# KiCad board Kimiro.kicad_pcb (continued)
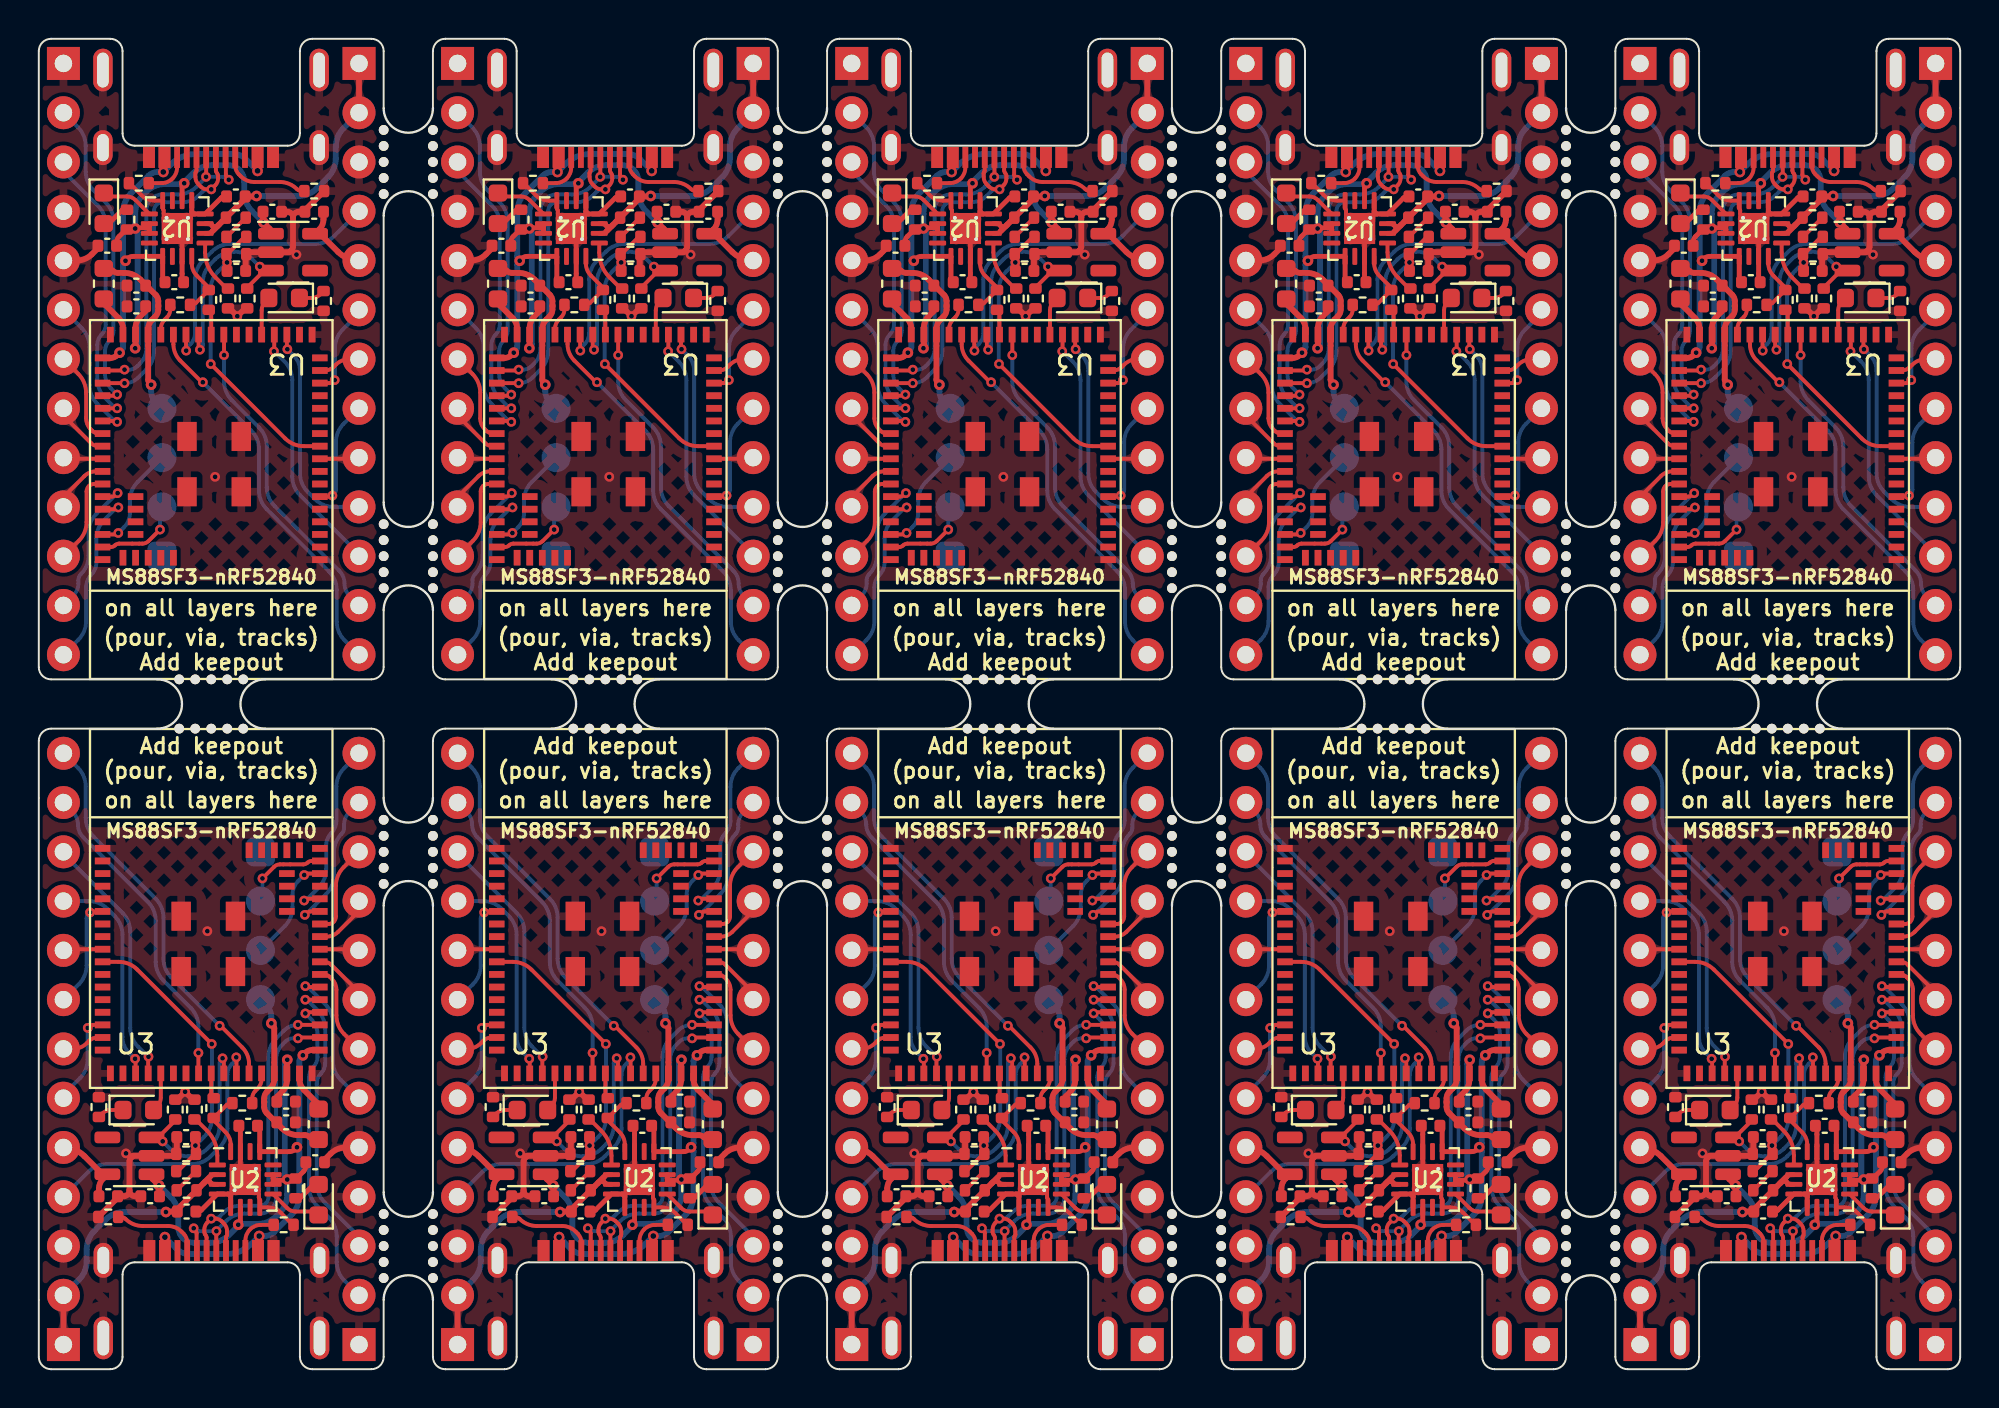
[diagram p0: board, top side]
## Nets
GND: C1.2 C1#2.2 C1#3.2 C1#4.2 C1#5.2 C1#6.2 C1#7.2 C1#8.2 C1#9.2 C1#10.2 C2.1 C2#2.1 C2#3.1 C2#4.1 C2#5.1 C2#6.1 C2#7.1 C2#8.1 C2#9.1 C2#10.1 C3.1 C3#2.1 C3#3.1 C3#4.1 C3#5.1 C3#6.1 C3#7.1 C3#8.1 C3#9.1 C3#10.1 C4.2 C4#2.2 C4#3.2 C4#4.2 C4#5.2 C4#6.2 C4#7.2 C4#8.2 C4#9.2 C4#10.2 C5.1 C5#2.1 C5#3.1 C5#4.1 C5#5.1 C5#6.1 C5#7.1 C5#8.1 C5#9.1 C5#10.1 C6.1 C6#2.1 C6#3.1 C6#4.1 C6#5.1 C6#6.1 C6#7.1 C6#8.1 C6#9.1 C6#10.1 C7.2 C7#2.2 C7#3.2 C7#4.2 C7#5.2 C7#6.2 C7#7.2 C7#8.2 C7#9.2 C7#10.2 C8.2 C8#2.2 C8#3.2 C8#4.2 C8#5.2 C8#6.2 C8#7.2 C8#8.2 C8#9.2 C8#10.2 J1.1 J1#2.1 J1#3.1 J1#4.1 J1#5.1 J1#6.1 J1#7.1 J1#8.1 J1#9.1 J1#10.1 J2.A1 J2.A12 J2.B1 J2.B12 J2.S1 J2#2.A1 J2#2.A12 J2#2.B1 J2#2.B12 J2#2.S1 J2#3.A1 J2#3.A12 J2#3.B1 J2#3.B12 J2#3.S1 J2#4.A1 J2#4.A12 J2#4.B1 J2#4.B12 J2#4.S1 J2#5.A1 J2#5.A12 J2#5.B1 J2#5.B12 J2#5.S1 J2#6.A1 J2#6.A12 J2#6.B1 J2#6.B12 J2#6.S1 J2#7.A1 J2#7.A12 J2#7.B1 J2#7.B12 J2#7.S1 J2#8.A1 J2#8.A12 J2#8.B1 J2#8.B12 J2#8.S1 J2#9.A1 J2#9.A12 J2#9.B1 J2#9.B12 J2#9.S1 J2#10.A1 J2#10.A12 J2#10.B1 J2#10.B12 J2#10.S1 J3.1 J3.4 J3.5 J3#2.1 J3#2.4 J3#2.5 J3#3.1 J3#3.4 J3#3.5 J3#4.1 J3#4.4 J3#4.5 J3#5.1 J3#5.4 J3#5.5 J3#6.1 J3#6.4 J3#6.5 J3#7.1 J3#7.4 J3#7.5 J3#8.1 J3#8.4 J3#8.5 J3#9.1 J3#9.4 J3#9.5 J3#10.1 J3#10.4 J3#10.5 J4.3 J4#2.3 J4#3.3 J4#4.3 J4#5.3 J4#6.3 J4#7.3 J4#8.3 J4#9.3 J4#10.3 R1.2 R1#2.2 R1#3.2 R1#4.2 R1#5.2 R1#6.2 R1#7.2 R1#8.2 R1#9.2 R1#10.2 R2.1 R2#2.1 R2#3.1 R2#4.1 R2#5.1 R2#6.1 R2#7.1 R2#8.1 R2#9.1 R2#10.1 R3.2 R3#2.2 R3#3.2 R3#4.2 R3#5.2 R3#6.2 R3#7.2 R3#8.2 R3#9.2 R3#10.2 R9.2 R9#2.2 R9#3.2 R9#4.2 R9#5.2 R9#6.2 R9#7.2 R9#8.2 R9#9.2 R9#10.2 R10.2 R10#2.2 R10#3.2 R10#4.2 R10#5.2 R10#6.2 R10#7.2 R10#8.2 R10#9.2 R10#10.2 R11.1 R11#2.1 R11#3.1 R11#4.1 R11#5.1 R11#6.1 R11#7.1 R11#8.1 R11#9.1 R11#10.1 U2.4 U2.5 U2.8 U2.15 U2.17 U2#2.4 U2#2.5 U2#2.8 U2#2.15 U2#2.17 U2#3.4 U2#3.5 U2#3.8 U2#3.15 U2#3.17 U2#4.4 U2#4.5 U2#4.8 U2#4.15 U2#4.17 U2#5.4 U2#5.5 U2#5.8 U2#5.15 U2#5.17 U2#6.4 U2#6.5 U2#6.8 U2#6.15 U2#6.17 U2#7.4 U2#7.5 U2#7.8 U2#7.15 U2#7.17 U2#8.4 U2#8.5 U2#8.8 U2#8.15 U2#8.17 U2#9.4 U2#9.5 U2#9.8 U2#9.15 U2#9.17 U2#10.4 U2#10.5 U2#10.8 U2#10.15 U2#10.17 U3.1 U3.18 U3.34 U3.61 U3#2.1 U3#2.18 U3#2.34 U3#2.61 U3#3.1 U3#3.18 U3#3.34 U3#3.61 U3#4.1 U3#4.18 U3#4.34 U3#4.61 U3#5.1 U3#5.18 U3#5.34 U3#5.61 U3#6.1 U3#6.18 U3#6.34 U3#6.61 U3#7.1 U3#7.18 U3#7.34 U3#7.61 U3#8.1 U3#8.18 U3#8.34 U3#8.61 U3#9.1 U3#9.18 U3#9.34 U3#9.61 U3#10.1 U3#10.18 U3#10.34 U3#10.61 U4.2 U4#2.2 U4#3.2 U4#4.2 U4#5.2 U4#6.2 U4#7.2 U4#8.2 U4#9.2 U4#10.2
VBAT: C3.2 C3#2.2 C3#3.2 C3#4.2 C3#5.2 C3#6.2 C3#7.2 C3#8.2 C3#9.2 C3#10.2 J4.1 J4.2 J4#2.1 J4#2.2 J4#3.1 J4#3.2 J4#4.1 J4#4.2 J4#5.1 J4#5.2 J4#6.1 J4#6.2 J4#7.1 J4#7.2 J4#8.1 J4#8.2 J4#9.1 J4#9.2 J4#10.1 J4#10.2 R7.1 R7#2.1 R7#3.1 R7#4.1 R7#5.1 R7#6.1 R7#7.1 R7#8.1 R7#9.1 R7#10.1 U2.2 U2.3 U2#2.2 U2#2.3 U2#3.2 U2#3.3 U2#4.2 U2#4.3 U2#5.2 U2#5.3 U2#6.2 U2#6.3 U2#7.2 U2#7.3 U2#8.2 U2#8.3 U2#9.2 U2#9.3 U2#10.2 U2#10.3
VBUS: C1.1 C1#2.1 C1#3.1 C1#4.1 C1#5.1 C1#6.1 C1#7.1 C1#8.1 C1#9.1 C1#10.1 J2.A4 J2.A9 J2.B4 J2.B9 J2#2.A4 J2#2.A9 J2#2.B4 J2#2.B9 J2#3.A4 J2#3.A9 J2#3.B4 J2#3.B9 J2#4.A4 J2#4.A9 J2#4.B4 J2#4.B9 J2#5.A4 J2#5.A9 J2#5.B4 J2#5.B9 J2#6.A4 J2#6.A9 J2#6.B4 J2#6.B9 J2#7.A4 J2#7.A9 J2#7.B4 J2#7.B9 J2#8.A4 J2#8.A9 J2#8.B4 J2#8.B9 J2#9.A4 J2#9.A9 J2#9.B4 J2#9.B9 J2#10.A4 J2#10.A9 J2#10.B4 J2#10.B9 U2.13 U2#2.13 U2#3.13 U2#4.13 U2#5.13 U2#6.13 U2#7.13 U2#8.13 U2#9.13 U2#10.13 U3.35 U3#2.35 U3#3.35 U3#4.35 U3#5.35 U3#6.35 U3#7.35 U3#8.35 U3#9.35 U3#10.35
VCC: C6.2 C6#2.2 C6#3.2 C6#4.2 C6#5.2 C6#6.2 C6#7.2 C6#8.2 C6#9.2 C6#10.2 J4.5 J4#2.5 J4#3.5 J4#4.5 J4#5.5 J4#6.5 J4#7.5 J4#8.5 J4#9.5 J4#10.5 U4.5 U4#2.5 U4#3.5 U4#4.5 U4#5.5 U4#6.5 U4#7.5 U4#8.5 U4#9.5 U4#10.5
VDD: C7.1 C7#2.1 C7#3.1 C7#4.1 C7#5.1 C7#6.1 C7#7.1 C7#8.1 C7#9.1 C7#10.1 J1.4 J1#2.4 J1#3.4 J1#4.4 J1#5.4 J1#6.4 J1#7.4 J1#8.4 J1#9.4 J1#10.4 L1.2 L1#2.2 L1#3.2 L1#4.2 L1#5.2 L1#6.2 L1#7.2 L1#8.2 L1#9.2 L1#10.2 U3.31 U3#2.31 U3#3.31 U3#4.31 U3#5.31 U3#6.31 U3#7.31 U3#8.31 U3#9.31 U3#10.31
VDDH: C2.2 C2#2.2 C2#3.2 C2#4.2 C2#5.2 C2#6.2 C2#7.2 C2#8.2 C2#9.2 C2#10.2 C5.2 C5#2.2 C5#3.2 C5#4.2 C5#5.2 C5#6.2 C5#7.2 C5#8.2 C5#9.2 C5#10.2 C8.1 C8#2.1 C8#3.1 C8#4.1 C8#5.1 C8#6.1 C8#7.1 C8#8.1 C8#9.1 C8#10.1 R6.1 R6#2.1 R6#3.1 R6#4.1 R6#5.1 R6#6.1 R6#7.1 R6#8.1 R6#9.1 R6#10.1 U2.6 U2.10 U2.11 U2#2.6 U2#2.10 U2#2.11 U2#3.6 U2#3.10 U2#3.11 U2#4.6 U2#4.10 U2#4.11 U2#5.6 U2#5.10 U2#5.11 U2#6.6 U2#6.10 U2#6.11 U2#7.6 U2#7.10 U2#7.11 U2#8.6 U2#8.10 U2#8.11 U2#9.6 U2#9.10 U2#9.11 U2#10.6 U2#10.10 U2#10.11 U3.32 U3#2.32 U3#3.32 U3#4.32 U3#5.32 U3#6.32 U3#7.32 U3#8.32 U3#9.32 U3#10.32 U4.1 U4#2.1 U4#3.1 U4#4.1 U4#5.1 U4#6.1 U4#7.1 U4#8.1 U4#9.1 U4#10.1
002: J4.9 J4#2.9 J4#3.9 J4#4.9 J4#5.9 J4#6.9 J4#7.9 J4#8.9 J4#9.9 J4#10.9 U3.9 U3#2.9 U3#3.9 U3#4.9 U3#5.9 U3#6.9 U3#7.9 U3#8.9 U3#9.9 U3#10.9
003: J4.8 J4#2.8 J4#3.8 J4#4.8 J4#5.8 J4#6.8 J4#7.8 J4#8.8 J4#9.8 J4#10.8 U3.6 U3#2.6 U3#3.6 U3#4.6 U3#5.6 U3#6.6 U3#7.6 U3#8.6 U3#9.6 U3#10.6
004: J4.7 J4#2.7 J4#3.7 J4#4.7 J4#5.7 J4#6.7 J4#7.7 J4#8.7 J4#9.7 J4#10.7 U3.16 U3#2.16 U3#3.16 U3#4.16 U3#5.16 U3#6.16 U3#7.16 U3#8.16 U3#9.16 U3#10.16
005: J4.6 J4#2.6 J4#3.6 J4#4.6 J4#5.6 J4#6.6 J4#7.6 J4#8.6 J4#9.6 J4#10.6 U3.15 U3#2.15 U3#3.15 U3#4.15 U3#5.15 U3#6.15 U3#7.15 U3#8.15 U3#9.15 U3#10.15
006: J4.10 J4#2.10 J4#3.10 J4#4.10 J4#5.10 J4#6.10 J4#7.10 J4#8.10 J4#9.10 J4#10.10 U3.20 U3#2.20 U3#3.20 U3#4.20 U3#5.20 U3#6.20 U3#7.20 U3#8.20 U3#9.20 U3#10.20
008: J4.12 J4#2.12 J4#3.12 J4#4.12 J4#5.12 J4#6.12 J4#7.12 J4#8.12 J4#9.12 J4#10.12 U3.25 U3#2.25 U3#3.25 U3#4.25 U3#5.25 U3#6.25 U3#7.25 U3#8.25 U3#9.25 U3#10.25
013: J3.3 J3#2.3 J3#3.3 J3#4.3 J3#5.3 J3#6.3 J3#7.3 J3#8.3 J3#9.3 J3#10.3 U3.39 U3#2.39 U3#3.39 U3#4.39 U3#5.39 U3#6.39 U3#7.39 U3#8.39 U3#9.39 U3#10.39
015: J3.6 J3#2.6 J3#3.6 J3#4.6 J3#5.6 J3#6.6 J3#7.6 J3#8.6 J3#9.6 J3#10.6 U3.40 U3#2.40 U3#3.40 U3#4.40 U3#5.40 U3#6.40 U3#7.40 U3#8.40 U3#9.40 U3#10.40
016: J4.13 J4#2.13 J4#3.13 J4#4.13 J4#5.13 J4#6.13 J4#7.13 J4#8.13 J4#9.13 J4#10.13 U3.29 U3#2.29 U3#3.29 U3#4.29 U3#5.29 U3#6.29 U3#7.29 U3#8.29 U3#9.29 U3#10.29
017: J3.7 J3#2.7 J3#3.7 J3#4.7 J3#5.7 J3#6.7 J3#7.7 J3#8.7 J3#9.7 J3#10.7 U3.41 U3#2.41 U3#3.41 U3#4.41 U3#5.41 U3#6.41 U3#7.41 U3#8.41 U3#9.41 U3#10.41
019: J3.2 J3#2.2 J3#3.2 J3#4.2 J3#5.2 J3#6.2 J3#7.2 J3#8.2 J3#9.2 J3#10.2 U3.38 U3#2.38 U3#3.38 U3#4.38 U3#5.38 U3#6.38 U3#7.38 U3#8.38 U3#9.38 U3#10.38
020: J3.10 J3#2.10 J3#3.10 J3#4.10 J3#5.10 J3#6.10 J3#7.10 J3#8.10 J3#9.10 J3#10.10 U3.44 U3#2.44 U3#3.44 U3#4.44 U3#5.44 U3#6.44 U3#7.44 U3#8.44 U3#9.44 U3#10.44
021: J3.8 J3#2.8 J3#3.8 J3#4.8 J3#5.8 J3#6.8 J3#7.8 J3#8.8 J3#9.8 J3#10.8 U3.42 U3#2.42 U3#3.42 U3#4.42 U3#5.42 U3#6.42 U3#7.42 U3#8.42 U3#9.42 U3#10.42
022: J3.11 J3#2.11 J3#3.11 J3#4.11 J3#5.11 J3#6.11 J3#7.11 J3#8.11 J3#9.11 J3#10.11 U3.45 U3#2.45 U3#3.45 U3#4.45 U3#5.45 U3#6.45 U3#7.45 U3#8.45 U3#9.45 U3#10.45
023: J3.9 J3#2.9 J3#3.9 J3#4.9 J3#5.9 J3#6.9 J3#7.9 J3#8.9 J3#9.9 J3#10.9 U3.43 U3#2.43 U3#3.43 U3#4.43 U3#5.43 U3#6.43 U3#7.43 U3#8.43 U3#9.43 U3#10.43
024: J3.12 J3#2.12 J3#3.12 J3#4.12 J3#5.12 J3#6.12 J3#7.12 J3#8.12 J3#9.12 J3#10.12 U3.46 U3#2.46 U3#3.46 U3#4.46 U3#5.46 U3#6.46 U3#7.46 U3#8.46 U3#9.46 U3#10.46
100: J3.13 J3#2.13 J3#3.13 J3#4.13 J3#5.13 J3#6.13 J3#7.13 J3#8.13 J3#9.13 J3#10.13 U3.47 U3#2.47 U3#3.47 U3#4.47 U3#5.47 U3#6.47 U3#7.47 U3#8.47 U3#9.47 U3#10.47
108: J4.11 J4#2.11 J4#3.11 J4#4.11 J4#5.11 J4#6.11 J4#7.11 J4#8.11 J4#9.11 J4#10.11 U3.21 U3#2.21 U3#3.21 U3#4.21 U3#5.21 U3#6.21 U3#7.21 U3#8.21 U3#9.21 U3#10.21
BATTERY_PIN: C4.1 C4#2.1 C4#3.1 C4#4.1 C4#5.1 C4#6.1 C4#7.1 C4#8.1 C4#9.1 C4#10.1 R8.2 R8#2.2 R8#3.2 R8#4.2 R8#5.2 R8#6.2 R8#7.2 R8#8.2 R8#9.2 R8#10.2 R9.1 R9#2.1 R9#3.1 R9#4.1 R9#5.1 R9#6.1 R9#7.1 R9#8.1 R9#9.1 R9#10.1 U3.10 U3#2.10 U3#3.10 U3#4.10 U3#5.10 U3#6.10 U3#7.10 U3#8.10 U3#9.10 U3#10.10
CHARGE_CTRL_1: R4.1 R4#2.1 R4#3.1 R4#4.1 R4#5.1 R4#6.1 R4#7.1 R4#8.1 R4#9.1 R4#10.1 U3.30 U3#2.30 U3#3.30 U3#4.30 U3#5.30 U3#6.30 U3#7.30 U3#8.30 U3#9.30 U3#10.30
CHARGE_CTRL_2: R5.2 R5#2.2 R5#3.2 R5#4.2 R5#5.2 R5#6.2 R5#7.2 R5#8.2 R5#9.2 R5#10.2 U3.26 U3#2.26 U3#3.26 U3#4.26 U3#5.26 U3#6.26 U3#7.26 U3#8.26 U3#9.26 U3#10.26
D+: J2.A6 J2.B6 J2#2.A6 J2#2.B6 J2#3.A6 J2#3.B6 J2#4.A6 J2#4.B6 J2#5.A6 J2#5.B6 J2#6.A6 J2#6.B6 J2#7.A6 J2#7.B6 J2#8.A6 J2#8.B6 J2#9.A6 J2#9.B6 J2#10.A6 J2#10.B6 U3.37 U3#2.37 U3#3.37 U3#4.37 U3#5.37 U3#6.37 U3#7.37 U3#8.37 U3#9.37 U3#10.37
D-: J2.A7 J2.B7 J2#2.A7 J2#2.B7 J2#3.A7 J2#3.B7 J2#4.A7 J2#4.B7 J2#5.A7 J2#5.B7 J2#6.A7 J2#6.B7 J2#7.A7 J2#7.B7 J2#8.A7 J2#8.B7 J2#9.A7 J2#9.B7 J2#10.A7 J2#10.B7 U3.36 U3#2.36 U3#3.36 U3#4.36 U3#5.36 U3#6.36 U3#7.36 U3#8.36 U3#9.36 U3#10.36
DCCH: L1.1 L1#2.1 L1#3.1 L1#4.1 L1#5.1 L1#6.1 L1#7.1 L1#8.1 L1#9.1 L1#10.1 U3.33 U3#2.33 U3#3.33 U3#4.33 U3#5.33 U3#6.33 U3#7.33 U3#8.33 U3#9.33 U3#10.33
LED: D2.2 D2#2.2 D2#3.2 D2#4.2 D2#5.2 D2#6.2 D2#7.2 D2#8.2 D2#9.2 D2#10.2 U3.22 U3#2.22 U3#3.22 U3#4.22 U3#5.22 U3#6.22 U3#7.22 U3#8.22 U3#9.22 U3#10.22
POWER_PIN: R10.1 R10#2.1 R10#3.1 R10#4.1 R10#5.1 R10#6.1 R10#7.1 R10#8.1 R10#9.1 R10#10.1 U3.27 U3#2.27 U3#3.27 U3#4.27 U3#5.27 U3#6.27 U3#7.27 U3#8.27 U3#9.27 U3#10.27 U4.3 U4#2.3 U4#3.3 U4#4.3 U4#5.3 U4#6.3 U4#7.3 U4#8.3 U4#9.3 U4#10.3
RST: J4.4 J4#2.4 J4#3.4 J4#4.4 J4#5.4 J4#6.4 J4#7.4 J4#8.4 J4#9.4 J4#10.4 U3.28 U3#2.28 U3#3.28 U3#4.28 U3#5.28 U3#6.28 U3#7.28 U3#8.28 U3#9.28 U3#10.28
SWCLK: J1.2 J1#2.2 J1#3.2 J1#4.2 J1#5.2 J1#6.2 J1#7.2 J1#8.2 J1#9.2 J1#10.2 U3.50 U3#2.50 U3#3.50 U3#4.50 U3#5.50 U3#6.50 U3#7.50 U3#8.50 U3#9.50 U3#10.50
SWDIO: J1.3 J1#2.3 J1#3.3 J1#4.3 J1#5.3 J1#6.3 J1#7.3 J1#8.3 J1#9.3 J1#10.3 U3.49 U3#2.49 U3#3.49 U3#4.49 U3#5.49 U3#6.49 U3#7.49 U3#8.49 U3#9.49 U3#10.49
Net-(D1-Pad1): D1.1 D1#2.1 D1#3.1 D1#4.1 D1#5.1 D1#6.1 D1#7.1 D1#8.1 D1#9.1 D1#10.1 U2.9 U2#2.9 U2#3.9 U2#4.9 U2#5.9 U2#6.9 U2#7.9 U2#8.9 U2#9.9 U2#10.9
Net-(D1-Pad2): D1.2 D1#2.2 D1#3.2 D1#4.2 D1#5.2 D1#6.2 D1#7.2 D1#8.2 D1#9.2 D1#10.2 R6.2 R6#2.2 R6#3.2 R6#4.2 R6#5.2 R6#6.2 R6#7.2 R6#8.2 R6#9.2 R6#10.2
Net-(D2-Pad1): D2.1 D2#2.1 D2#3.1 D2#4.1 D2#5.1 D2#6.1 D2#7.1 D2#8.1 D2#9.1 D2#10.1 R11.2 R11#2.2 R11#3.2 R11#4.2 R11#5.2 R11#6.2 R11#7.2 R11#8.2 R11#9.2 R11#10.2
Net-(J2-PadA5): J2.A5 J2#2.A5 J2#3.A5 J2#4.A5 J2#5.A5 J2#6.A5 J2#7.A5 J2#8.A5 J2#9.A5 J2#10.A5 R1.1 R1#2.1 R1#3.1 R1#4.1 R1#5.1 R1#6.1 R1#7.1 R1#8.1 R1#9.1 R1#10.1
Net-(J2-PadB5): J2.B5 J2#2.B5 J2#3.B5 J2#4.B5 J2#5.B5 J2#6.B5 J2#7.B5 J2#8.B5 J2#9.B5 J2#10.B5 R2.2 R2#2.2 R2#3.2 R2#4.2 R2#5.2 R2#6.2 R2#7.2 R2#8.2 R2#9.2 R2#10.2
Net-(R3-Pad1): R3.1 R3#2.1 R3#3.1 R3#4.1 R3#5.1 R3#6.1 R3#7.1 R3#8.1 R3#9.1 R3#10.1 U2.1 U2#2.1 U2#3.1 U2#4.1 U2#5.1 U2#6.1 U2#7.1 U2#8.1 U2#9.1 U2#10.1
Net-(R4-Pad2): R4.2 R4#2.2 R4#3.2 R4#4.2 R4#5.2 R4#6.2 R4#7.2 R4#8.2 R4#9.2 R4#10.2 R5.1 R5#2.1 R5#3.1 R5#4.1 R5#5.1 R5#6.1 R5#7.1 R5#8.1 R5#9.1 R5#10.1 U2.16 U2#2.16 U2#3.16 U2#4.16 U2#5.16 U2#6.16 U2#7.16 U2#8.16 U2#9.16 U2#10.16
Net-(R7-Pad2): R7.2 R7#2.2 R7#3.2 R7#4.2 R7#5.2 R7#6.2 R7#7.2 R7#8.2 R7#9.2 R7#10.2 R8.1 R8#2.1 R8#3.1 R8#4.1 R8#5.1 R8#6.1 R8#7.1 R8#8.1 R8#9.1 R8#10.1

Pads without a net: J2 A8 B8; J2#2 A8 B8; J2#3 A8 B8; J2#4 A8 B8; J2#5 A8 B8; J2#6 A8 B8; J2#7 A8 B8; J2#8 A8 B8; J2#9 A8 B8; J2#10 A8 B8; U2 7 12 14; U2#2 7 12 14; U2#3 7 12 14; U2#4 7 12 14; U2#5 7 12 14; U2#6 7 12 14; U2#7 7 12 14; U2#8 7 12 14; U2#9 7 12 14; U2#10 7 12 14; U3 2 3 4 5 7 8 11 12 13 14 17 19 23 24 48 51 52 53 54 55 56 57 58 59 60; U3#2 2 3 4 5 7 8 11 12 13 14 17 19 23 24 48 51 52 53 54 55 56 57 58 59 60; U3#3 2 3 4 5 7 8 11 12 13 14 17 19 23 24 48 51 52 53 54 55 56 57 58 59 60; U3#4 2 3 4 5 7 8 11 12 13 14 17 19 23 24 48 51 52 53 54 55 56 57 58 59 60; U3#5 2 3 4 5 7 8 11 12 13 14 17 19 23 24 48 51 52 53 54 55 56 57 58 59 60; U3#6 2 3 4 5 7 8 11 12 13 14 17 19 23 24 48 51 52 53 54 55 56 57 58 59 60; U3#7 2 3 4 5 7 8 11 12 13 14 17 19 23 24 48 51 52 53 54 55 56 57 58 59 60; U3#8 2 3 4 5 7 8 11 12 13 14 17 19 23 24 48 51 52 53 54 55 56 57 58 59 60; U3#9 2 3 4 5 7 8 11 12 13 14 17 19 23 24 48 51 52 53 54 55 56 57 58 59 60; U3#10 2 3 4 5 7 8 11 12 13 14 17 19 23 24 48 51 52 53 54 55 56 57 58 59 60; U4 4; U4#2 4; U4#3 4; U4#4 4; U4#5 4; U4#6 4; U4#7 4; U4#8 4; U4#9 4; U4#10 4

## Via types
v1: diameter 0.55, hole 0.25, Top to Bottom, 80 vias
v2: diameter 0.55, hole 0.3, Top to Bottom, 20 vias
v3: diameter 0.5, hole 0.25, Top to Bottom, 260 vias

## Routing (per net, layer and track width the routed paths; a pad name or vN(x,y) marks a point on that pad's centre or on a via; arc(x,y) is an arc through that point)
GND: length 212.7
  Top w0.2: U2#2.17 31.59,9.15 arc(31.64,9.07) 31.66,8.97 31.66,8.85 arc(31.67,8.82) 31.69,8.79 arc(31.71,8.76) 31.71,8.73 U2#2.8 32.12,8.34 arc(32.49,8.27) 32.81,8.06 33.41,7.45 arc(33.42,7.45) 33.44,7.44 R2#8.1 ; U2#3.17 6.51,59.43 arc(6.46,59.51) 6.44,59.61 6.44,59.73 arc(6.43,59.76) 6.41,59.79 arc(6.39,59.82) 6.39,59.85 U2#3.8 5.98,60.24 arc(5.61,60.31) 5.29,60.52 4.69,61.13 arc(4.68,61.13) 4.66,61.14 R2#9.1 ; R2#10.1 24.98,61.14 arc(25,61.13) 25.01,61.13 25.61,60.52 arc(25.93,60.31) 26.3,60.24 U2#5.8 26.71,59.85 arc(26.71,59.82) 26.73,59.79 arc(26.75,59.76) 26.76,59.73 26.76,59.61 arc(26.78,59.51) 26.83,59.43 U2#5.17 ; R2#4.1 94.4,7.44 arc(94.38,7.45) 94.37,7.45 93.77,8.06 arc(93.45,8.27) 93.08,8.34 U2.8 92.67,8.73 arc(92.67,8.76) 92.65,8.79 arc(92.63,8.82) 92.62,8.85 92.62,8.97 arc(92.6,9.07) 92.55,9.15 U2.17 ; R2#7.1 74.08,7.44 arc(74.06,7.45) 74.05,7.45 73.45,8.06 arc(73.13,8.27) 72.76,8.34 U2#7.8 72.35,8.73 arc(72.35,8.76) 72.33,8.79 arc(72.31,8.82) 72.3,8.85 72.3,8.97 arc(72.28,9.07) 72.23,9.15 U2#7.17 ; R2#3.1 53.76,7.44 arc(53.74,7.45) 53.73,7.45 53.13,8.06 arc(52.81,8.27) 52.44,8.34 U2#4.8 52.03,8.73 arc(52.03,8.76) 52.01,8.79 arc(51.99,8.82) 51.98,8.85 51.98,8.97 arc(51.96,9.07) 51.91,9.15 U2#4.17 ; R2#2.1 65.62,61.14 arc(65.64,61.13) 65.65,61.13 66.25,60.52 arc(66.57,60.31) 66.94,60.24 U2#8.8 67.35,59.85 arc(67.35,59.82) 67.37,59.79 arc(67.39,59.76) 67.4,59.73 67.4,59.61 arc(67.42,59.51) 67.47,59.43 U2#8.17 ; R2#5.1 13.12,7.44 arc(13.1,7.45) 13.09,7.45 12.49,8.06 arc(12.17,8.27) 11.8,8.34 U2#6.8 11.39,8.73 arc(11.39,8.76) 11.37,8.79 arc(11.35,8.82) 11.34,8.85 11.34,8.97 arc(11.32,9.07) 11.27,9.15 U2#6.17 ; R2#6.1 85.94,61.14 arc(85.96,61.13) 85.97,61.13 86.57,60.52 arc(86.89,60.31) 87.26,60.24 U2#9.8 87.67,59.85 arc(87.67,59.82) 87.69,59.79 arc(87.71,59.76) 87.72,59.73 87.72,59.61 arc(87.74,59.51) 87.79,59.43 U2#9.17 ; U2#10.17 47.15,59.43 arc(47.1,59.51) 47.08,59.61 47.08,59.73 arc(47.07,59.76) 47.05,59.79 arc(47.03,59.82) 47.03,59.85 U2#10.8 46.62,60.24 arc(46.25,60.31) 45.93,60.52 45.33,61.13 arc(45.32,61.13) 45.3,61.14 R2.1
  Top w0.25: 88.75,56.03 88.71,56.07 arc(88.68,56.11) 88.67,56.16 88.67,58.37 arc(88.63,58.54) 88.54,58.68 U2#9.17 ; C1#4.2 30.67,12.51 arc(30.7,12.47) 30.71,12.42 30.71,10.21 arc(30.75,10.04) 30.84,9.9 U2#2.17 ; 1.57,57.45 1.42,57.3 arc(1.4,57.21) 1.49,57.15 ; 28.11,59.45 U2#5.17 ; 28.11,59.45 arc(28.22,59.53) 28.35,59.55 ; 28.11,59.45 arc(28.18,59.56) 28.21,59.69 ; 91.17,8.89 U2.5 ; 91.17,8.89 arc(91.13,8.99) 91.03,9.03 ; 91.17,8.89 arc(91.2,9.02) 91.27,9.13 ; 16.21,11.13 16.36,11.28 arc(16.38,11.37) 16.29,11.43 ; 7.89,59.69 U2#3.5 ; 7.89,59.69 arc(7.86,59.56) 7.79,59.45 ; 7.89,59.69 arc(7.93,59.59) 8.03,59.55 ; 70.85,8.89 U2#7.5 ; 70.85,8.89 arc(70.88,9.02) 70.95,9.13 ; 70.85,8.89 arc(70.81,8.99) 70.71,9.03 ; C1#6.2 71.31,12.51 arc(71.34,12.47) 71.35,12.42 71.35,10.21 arc(71.39,10.04) 71.48,9.9 U2#7.17 ; 82.85,57.45 82.7,57.3 arc(82.68,57.21) 82.77,57.15 ; U2#6.17 10.52,9.9 arc(10.43,10.04) 10.39,10.21 10.39,12.42 arc(10.38,12.47) 10.35,12.51 C1#5.2 ; 9.75,9.03 U2#6.4 8.38,8.2 arc(8.3,8.15) 8.2,8.13 ; 9.75,9.03 arc(9.88,9.05) 9.99,9.13 ; 9.75,9.03 arc(9.85,8.99) 9.89,8.89 ; C1#9.2 91.63,12.51 arc(91.66,12.47) 91.67,12.42 91.67,10.21 arc(91.71,10.04) 91.8,9.9 U2.17 ; 9.89,8.89 U2#6.5 ; 9.89,8.89 arc(9.92,9.02) 9.99,9.13 ; 30.21,8.89 U2#2.5 ; 30.21,8.89 arc(30.17,8.99) 30.07,9.03 ; 30.21,8.89 arc(30.24,9.02) 30.31,9.13 ; 70.71,9.03 U2#7.4 69.34,8.2 arc(69.26,8.15) 69.16,8.13 ; 70.71,9.03 arc(70.84,9.05) 70.95,9.13 ; 48.67,59.55 U2#10.4 50.04,60.38 arc(50.12,60.43) 50.22,60.45 ; 48.67,59.55 arc(48.57,59.59) 48.53,59.69 ; 48.67,59.55 arc(48.54,59.53) 48.43,59.45 ; 42.21,57.45 42.06,57.3 arc(42.04,57.21) 42.13,57.15 ; 50.63,9.13 U2#4.17 ; 50.63,9.13 arc(50.56,9.02) 50.53,8.89 ; 50.63,9.13 arc(50.52,9.05) 50.39,9.03 ; 7.79,59.45 U2#3.17 ; 7.79,59.45 arc(7.9,59.53) 8.03,59.55 ; 9.99,9.13 U2#6.17 ; 30.31,9.13 U2#2.17 ; 30.31,9.13 arc(30.2,9.05) 30.07,9.03 ; 89.31,59.55 U2#9.4 90.68,60.38 arc(90.76,60.43) 90.86,60.45 ; 89.31,59.55 arc(89.18,59.53) 89.07,59.45 ; 89.31,59.55 arc(89.21,59.59) 89.17,59.69 ; C1.2 48.07,56.07 arc(48.04,56.11) 48.03,56.16 48.03,58.37 arc(47.99,58.54) 47.9,58.68 U2#10.17 ; 48.43,59.45 U2#10.17 ; 48.43,59.45 arc(48.5,59.56) 48.53,59.69 ; 89.17,59.69 U2#9.5 ; 89.17,59.69 arc(89.14,59.56) 89.07,59.45 ; C1#8.2 50.99,12.51 arc(51.02,12.47) 51.03,12.42 51.03,10.21 arc(51.07,10.04) 51.16,9.9 U2#4.17 ; U2#3.17 7.26,58.68 arc(7.35,58.54) 7.39,58.37 7.39,56.16 arc(7.4,56.11) 7.43,56.07 C1#2.2 ; 50.39,9.03 U2#4.4 49.02,8.2 arc(48.94,8.15) 48.84,8.13 ; 50.39,9.03 arc(50.49,8.99) 50.53,8.89 ; 50.53,8.89 U2#4.5 ; U2#8.17 68.22,58.68 arc(68.31,58.54) 68.35,58.37 68.35,56.16 arc(68.36,56.11) 68.39,56.07 68.43,56.03 ; 21.89,57.45 21.74,57.3 arc(21.72,57.21) 21.81,57.15 ; 68.75,59.45 U2#8.17 ; 68.75,59.45 arc(68.82,59.56) 68.85,59.69 ; 68.75,59.45 arc(68.86,59.53) 68.99,59.55 ; 28.35,59.55 U2#5.4 29.72,60.38 arc(29.8,60.43) 29.9,60.45 ; 28.35,59.55 arc(28.25,59.59) 28.21,59.69 ; 68.99,59.55 U2#8.4 70.36,60.38 arc(70.44,60.43) 70.54,60.45 ; 68.99,59.55 arc(68.89,59.59) 68.85,59.69 ; 8.03,59.55 U2#3.4 9.4,60.38 arc(9.48,60.43) 9.58,60.45 ; 36.53,11.13 36.68,11.28 arc(36.7,11.37) 36.61,11.43 ; 97.49,11.13 97.64,11.28 arc(97.66,11.37) 97.57,11.43 ; 89.07,59.45 U2#9.17 ; 56.85,11.13 57,11.28 arc(57.02,11.37) 56.93,11.43 ; 70.95,9.13 U2#7.17 ; U2#5.17 27.58,58.68 arc(27.67,58.54) 27.71,58.37 27.71,56.16 arc(27.72,56.11) 27.75,56.07 C1#10.2 ; 91.27,9.13 U2.17 ; 91.27,9.13 arc(91.16,9.05) 91.03,9.03 ; 48.53,59.69 U2#10.5 ; 28.21,59.69 U2#5.5 ; 91.03,9.03 U2.4 89.66,8.2 arc(89.58,8.15) 89.48,8.13 ; 77.17,11.13 77.32,11.28 arc(77.34,11.37) 77.25,11.43 ; 30.07,9.03 U2#2.4 28.7,8.2 arc(28.62,8.15) 28.52,8.13 ; 68.85,59.69 U2#8.5 ; 62.53,57.45 62.38,57.3 arc(62.36,57.21) 62.45,57.15
  Top w0.3: C2.1 96.01,10.73 arc(96.02,10.79) 96.05,10.84 96.33,11.11 arc(96.68,11.35) 97.1,11.43 97.57,11.43 ; 26.11,11 26.15,11 ; 26.11,11 25.19,11 arc(25.17,10.99) 25.16,10.99 25.07,10.9 arc(25.01,10.81) 24.99,10.71 24.99,9.21 ; 26.11,11 arc(26.13,10.99) 26.14,10.98 ; 26.15,11 27.23,11 arc(27.3,11.01) 27.35,11.05 R9#2.2 27.42,11.11 arc(27.43,11.13) 27.43,11.15 C4#5.2 ; 26.15,11 arc(26.14,10.99) 26.14,10.98 ; R1#2.2 13.75,59.77 arc(13.73,59.74) 13.72,59.7 arc(13.71,59.68) 13.68,59.66 13.4,59.66 arc(13.19,59.58) 13.11,59.37 ; 24.99,9.21 arc(25.08,9) 25.29,8.92 C5#3.1 ; 24.99,9.21 arc(24.91,9) 24.7,8.92 24.42,8.92 arc(24.39,8.9) 24.38,8.88 arc(24.37,8.84) 24.35,8.81 R1.2 ; 5.82,10.98 5.84,10.97 ; 5.82,10.98 arc(5.82,10.99) 5.83,11 ; 5.82,10.98 arc(5.81,10.99) 5.79,11 ; 94.49,12.79 94.49,12.73 ; 32.27,57.58 31.19,57.58 arc(31.12,57.57) 31.07,57.53 R9.2 31,57.47 arc(30.99,57.45) 30.99,57.43 C4#10.2 ; 32.27,57.58 32.31,57.58 ; 32.27,57.58 arc(32.28,57.59) 32.28,57.6 ; 56.93,11.43 56.46,11.43 arc(56.04,11.35) 55.69,11.11 55.41,10.84 arc(55.38,10.79) 55.37,10.73 C2#8.1 ; 65.53,55.79 65.53,55.85 ; C4.2 10.67,57.43 arc(10.67,57.45) 10.68,57.47 R9#3.2 10.75,57.53 arc(10.8,57.57) 10.87,57.58 11.95,57.58 ; C4#8.2 88.39,11.15 arc(88.39,11.13) 88.38,11.11 R9#6.2 88.31,11.05 arc(88.26,11.01) 88.19,11 87.11,11 ; 74.17,13.79 74.17,13.83 ; 31.01,54.68 30.99,54.68 arc(30.96,54.68) 30.94,54.67 v3(30.56,54.28) 30.2,54.64 arc(30.15,54.67) 30.09,54.68 30.02,54.68 ; 94.49,13.79 94.49,13.83 ; 62.45,57.15 62.92,57.15 arc(63.34,57.23) 63.69,57.47 63.97,57.74 arc(64,57.79) 64.01,57.85 C2#5.1 ; R1#3.2 64.99,8.81 arc(65.01,8.84) 65.02,8.88 arc(65.03,8.9) 65.06,8.92 65.34,8.92 arc(65.55,9) 65.63,9.21 ; 32.31,57.58 33.23,57.58 arc(33.25,57.59) 33.26,57.59 33.35,57.68 arc(33.41,57.77) 33.43,57.87 33.43,59.37 ; 32.31,57.58 arc(32.29,57.59) 32.28,57.6 ; 42.13,57.15 42.6,57.15 arc(43.02,57.23) 43.37,57.47 43.65,57.74 arc(43.68,57.79) 43.69,57.85 C2#3.1 ; 52.63,57.58 52.59,57.58 ; 52.63,57.58 53.55,57.58 arc(53.57,57.59) 53.58,57.59 53.67,57.68 arc(53.73,57.77) 53.75,57.87 53.75,59.37 ; 52.63,57.58 arc(52.61,57.59) 52.6,57.6 ; 52.59,57.58 51.51,57.58 arc(51.44,57.57) 51.39,57.53 R9#8.2 51.32,57.47 arc(51.31,57.45) 51.31,57.43 C4#2.2 ; 52.59,57.58 arc(52.6,57.59) 52.6,57.6 ; 32.36,62.25 32.4,62.29 ; 4.57,55.79 4.57,55.85 ; 33.43,59.37 arc(33.34,59.58) 33.13,59.66 C5#6.1 ; 33.43,59.37 arc(33.51,59.58) 33.72,59.66 34,59.66 arc(34.03,59.68) 34.04,59.7 arc(34.05,59.74) 34.07,59.77 R1#8.2 ; 87.07,11 86.15,11 arc(86.13,10.99) 86.12,10.99 86.03,10.9 arc(85.97,10.81) 85.95,10.71 85.95,9.21 ; 87.07,11 87.11,11 ; 87.07,11 arc(87.09,10.99) 87.1,10.98 ; 72.92,57.6 72.9,57.61 ; 72.92,57.6 arc(72.93,57.59) 72.95,57.58 ; 72.92,57.6 arc(72.92,57.59) 72.91,57.58 ; 50.34,54.68 50.41,54.68 arc(50.47,54.67) 50.52,54.64 v3(50.88,54.28) 51.26,54.67 arc(51.28,54.68) 51.31,54.68 51.33,54.68 ; 82.77,57.15 83.24,57.15 arc(83.66,57.23) 84.01,57.47 84.29,57.74 arc(84.32,57.79) 84.33,57.85 C2#7.1 ; 52.68,62.25 52.72,62.29 ; 27.41,13.9 27.43,13.9 arc(27.46,13.9) 27.48,13.91 v3(27.86,14.3) 28.22,13.94 arc(28.27,13.91) 28.33,13.9 28.4,13.9 ; 26.06,6.33 26.02,6.29 ; 9.7,54.68 9.77,54.68 arc(9.83,54.67) 9.88,54.64 v3(10.24,54.28) 10.62,54.67 arc(10.64,54.68) 10.67,54.68 10.69,54.68 ; C2#10.1 35.05,10.73 arc(35.06,10.79) 35.09,10.84 35.37,11.11 arc(35.72,11.35) 36.14,11.43 36.61,11.43 ; C5.1 65.93,8.92 arc(65.72,9) 65.63,9.21 ; R1#6.2 85.31,8.81 arc(85.33,8.84) 85.34,8.88 arc(85.35,8.9) 85.38,8.92 85.66,8.92 arc(85.87,9) 85.95,9.21 ; 13.21,13.79 13.21,13.83 ; 33.53,13.79 33.53,13.83 ; C2#9.1 14.73,10.73 arc(14.74,10.79) 14.77,10.84 15.05,11.11 arc(15.4,11.35) 15.82,11.43 16.29,11.43 ; 93.32,62.25 93.36,62.29 ; C4#9.2 91.95,57.43 arc(91.95,57.45) 91.96,57.47 R9#9.2 92.03,57.53 arc(92.08,57.57) 92.15,57.58 93.23,57.58 ; 1.49,57.15 1.96,57.15 arc(2.38,57.23) 2.73,57.47 3.01,57.74 arc(3.04,57.79) 3.05,57.85 C2#6.1 ; 53.85,13.79 53.85,13.83 ; 45.21,55.79 45.21,55.85 ; 47.73,13.9 47.75,13.9 arc(47.78,13.9) 47.8,13.91 v3(48.18,14.3) 48.54,13.94 arc(48.59,13.91) 48.65,13.9 48.72,13.9 ; 90.98,54.68 91.05,54.68 arc(91.11,54.67) 91.16,54.64 v3(91.52,54.28) 91.9,54.67 arc(91.92,54.68) 91.95,54.68 91.97,54.68 ; 88.37,13.9 88.39,13.9 arc(88.42,13.9) 88.44,13.91 v3(88.82,14.3) 89.18,13.94 arc(89.23,13.91) 89.29,13.9 89.36,13.9 ; C4#4.2 47.75,11.15 arc(47.75,11.13) 47.74,11.11 R9#7.2 47.67,11.05 arc(47.62,11.01) 47.55,11 46.47,11 ; 71.65,54.68 71.63,54.68 arc(71.6,54.68) 71.58,54.67 v3(71.2,54.28) 70.84,54.64 arc(70.79,54.67) 70.73,54.68 70.66,54.68 ; 4.67,9.21 4.67,10.71 arc(4.69,10.81) 4.75,10.9 4.84,10.99 arc(4.85,10.99) 4.87,11 5.79,11 ; 4.67,9.21 arc(4.76,9) 4.97,8.92 C5#2.1 ; 4.67,9.21 arc(4.59,9) 4.38,8.92 4.1,8.92 arc(4.07,8.9) 4.06,8.88 arc(4.05,8.84) 4.03,8.81 R1#10.2 ; C5#4.1 94.09,59.66 arc(94.3,59.58) 94.39,59.37 ; 93.27,57.58 94.19,57.58 arc(94.21,57.59) 94.22,57.59 94.31,57.68 arc(94.37,57.77) 94.39,57.87 94.39,59.37 ; 93.27,57.58 93.23,57.58 ; 93.27,57.58 arc(93.25,57.59) 93.24,57.6 ; 66.78,10.98 66.8,10.97 ; 66.78,10.98 arc(66.77,10.99) 66.75,11 ; 66.78,10.98 arc(66.78,10.99) 66.79,11 ; C7#3.2 33.65,12.62 ; 66.7,6.33 66.66,6.29 ; C5#5.1 86.25,8.92 arc(86.04,9) 85.95,9.21 ; C4#3.2 71.63,57.43 arc(71.63,57.45) 71.64,57.47 R9#10.2 71.71,57.53 arc(71.76,57.57) 71.83,57.58 72.91,57.58 ; C7#8.2 94.61,12.62 ; C5#10.1 53.45,59.66 arc(53.66,59.58) 53.75,59.37 ; 77.25,11.43 76.78,11.43 arc(76.36,11.35) 76.01,11.11 75.73,10.84 arc(75.7,10.79) 75.69,10.73 C2#2.1 ; C7#6.2 13.33,12.62 ; 66.75,11 66.79,11 ; 66.75,11 65.83,11 arc(65.81,10.99) 65.8,10.99 65.71,10.9 arc(65.65,10.81) 65.63,10.71 65.63,9.21 ; 66.79,11 67.87,11 arc(67.94,11.01) 67.99,11.05 R9#4.2 68.06,11.11 arc(68.07,11.13) 68.07,11.15 C4#7.2 ; 85.85,55.79 85.85,55.85 ; 5.74,6.33 5.7,6.29 ; 8.08,13.9 8.01,13.9 arc(7.95,13.91) 7.9,13.94 v3(7.54,14.3) 7.16,13.91 arc(7.14,13.9) 7.11,13.9 7.09,13.9 ; 13.11,59.37 13.11,57.87 arc(13.09,57.77) 13.03,57.68 12.94,57.59 arc(12.93,57.59) 12.91,57.58 11.99,57.58 ; 13.11,59.37 arc(13.02,59.58) 12.81,59.66 C5#7.1 ; 65.53,54.79 65.53,54.75 ; 5.83,11 6.91,11 arc(6.98,11.01) 7.03,11.05 R9#5.2 7.1,11.11 arc(7.11,11.13) 7.11,11.15 C4#6.2 ; 5.83,11 5.79,11 ; C7#4.2 4.45,55.96 ; 53.85,12.79 53.85,12.73 ; R1#7.2 44.67,8.81 arc(44.69,8.84) 44.7,8.88 arc(44.71,8.9) 44.74,8.92 45.02,8.92 arc(45.23,9) 45.31,9.21 ; C5#9.1 45.61,8.92 arc(45.4,9) 45.31,9.21 ; R1#9.2 74.71,59.77 arc(74.69,59.74) 74.68,59.7 arc(74.67,59.68) 74.64,59.66 74.36,59.66 arc(74.15,59.58) 74.07,59.37 ; 73,62.25 73.04,62.29 ; C7#2.2 24.77,55.96 ; 4.57,54.79 4.57,54.75 ; 33.53,12.79 33.53,12.73 ; 87.1,10.98 87.12,10.97 ; 87.1,10.98 arc(87.1,10.99) 87.11,11 ; 52.6,57.6 52.58,57.61 ; 26.14,10.98 26.16,10.97 ; C7#9.2 65.41,55.96 ; R1#4.2 54.39,59.77 arc(54.37,59.74) 54.36,59.7 arc(54.35,59.68) 54.32,59.66 54.04,59.66 arc(53.83,59.58) 53.75,59.37 ; 11.95,57.58 11.99,57.58 ; 11.95,57.58 arc(11.96,57.59) 11.96,57.6 ; 74.07,59.37 74.07,57.87 arc(74.05,57.77) 73.99,57.68 73.9,57.59 arc(73.89,57.59) 73.87,57.58 72.95,57.58 ; 74.07,59.37 arc(73.98,59.58) 73.77,59.66 C5#8.1 ; 72.91,57.58 72.95,57.58 ; 46.43,11 46.47,11 ; 46.43,11 45.51,11 arc(45.49,10.99) 45.48,10.99 45.39,10.9 arc(45.33,10.81) 45.31,10.71 45.31,9.21 ; 46.43,11 arc(46.45,10.99) 46.46,10.98 ; 46.47,11 arc(46.46,10.99) 46.46,10.98 ; 24.89,55.79 24.89,55.85 ; 46.46,10.98 46.48,10.97 ; C7#7.2 45.09,55.96 ; C7#10.2 85.73,55.96 ; 21.81,57.15 22.28,57.15 arc(22.7,57.23) 23.05,57.47 23.33,57.74 arc(23.36,57.79) 23.37,57.85 C2#4.1 ; 45.21,54.79 45.21,54.75 ; 46.38,6.33 46.34,6.29 ; C7#5.2 74.29,12.62 ; 94.39,59.37 arc(94.47,59.58) 94.68,59.66 94.96,59.66 arc(94.99,59.68) 95,59.7 arc(95.01,59.74) 95.03,59.77 R1#5.2 ; 11.99,57.58 arc(11.97,57.59) 11.96,57.6 ; 74.17,12.79 74.17,12.73 ; 93.23,57.58 arc(93.24,57.59) 93.24,57.6 ; 87.02,6.33 86.98,6.29 ; 11.96,57.6 11.94,57.61 ; 24.89,54.79 24.89,54.75 ; 12.04,62.25 12.08,62.29 ; 93.24,57.6 93.22,57.61 ; 69.04,13.9 68.97,13.9 arc(68.91,13.91) 68.86,13.94 v3(68.5,14.3) 68.12,13.91 arc(68.1,13.9) 68.07,13.9 68.05,13.9 ; 32.28,57.6 32.26,57.61 ; 13.21,12.79 13.21,12.73 ; C7.2 53.97,12.62 ; 85.85,54.79 85.85,54.75
  vias: v3(4.5,11.13) v3(8.69,22.58) v3(9.09,46) v3(13.28,57.45) v3(24.82,11.13) v3(29.01,22.58) v3(29.41,46) v3(33.6,57.45) v3(45.14,11.13) v3(49.33,22.58) v3(49.73,46) v3(53.92,57.45) v3(65.46,11.13) v3(69.65,22.58) v3(70.05,46) v3(74.24,57.45) v3(85.78,11.13) v3(89.97,22.58) v3(90.37,46) v3(94.56,57.45)
VBAT: length 148.1
  Top w0.25: 29.13,9.65 29.16,9.62 arc(29.27,9.55) 29.39,9.53 U2#2.3 ; 29.13,9.65 arc(29.08,9.78) 29.13,9.9 29.16,9.93 arc(29.27,10) 29.39,10.03 U2#2.2 ; 29.13,9.65 arc(29.01,9.71) 28.88,9.65 ; U2#5.2 29.03,58.55 arc(29.15,58.58) 29.26,58.65 29.29,58.68 arc(29.34,58.8) 29.29,58.93 ; U2#4.3 49.71,9.53 arc(49.59,9.55) 49.48,9.62 49.45,9.65 ; 8.97,58.93 8.94,58.96 arc(8.83,59.03) 8.71,59.05 U2#3.3 ; 8.97,58.93 arc(9.02,58.8) 8.97,58.68 8.94,58.65 arc(8.83,58.58) 8.71,58.55 U2#3.2 ; 8.97,58.93 arc(9.09,58.87) 9.22,58.93 ; U2#5.3 29.03,59.05 arc(29.15,59.03) 29.26,58.96 29.29,58.93 ; U2#9.2 89.99,58.55 arc(90.11,58.58) 90.22,58.65 90.25,58.68 arc(90.3,58.8) 90.25,58.93 ; U2#7.2 70.03,10.03 arc(69.91,10) 69.8,9.93 69.77,9.9 arc(69.72,9.78) 69.77,9.65 ; 90.25,58.93 90.22,58.96 arc(90.11,59.03) 89.99,59.05 U2#9.3 ; 90.25,58.93 arc(90.37,58.87) 90.5,58.93 ; U2#6.2 9.07,10.03 arc(8.95,10) 8.84,9.93 8.81,9.9 arc(8.76,9.78) 8.81,9.65 ; 49.45,9.65 arc(49.4,9.78) 49.45,9.9 49.48,9.93 arc(49.59,10) 49.71,10.03 U2#4.2 ; 49.45,9.65 arc(49.33,9.71) 49.2,9.65 ; 8.81,9.65 8.84,9.62 arc(8.95,9.55) 9.07,9.53 U2#6.3 ; 8.81,9.65 arc(8.69,9.71) 8.56,9.65 ; U2#8.2 69.67,58.55 arc(69.79,58.58) 69.9,58.65 69.93,58.68 arc(69.98,58.8) 69.93,58.93 ; 69.93,58.93 69.9,58.96 arc(69.79,59.03) 69.67,59.05 U2#8.3 ; 69.93,58.93 arc(70.05,58.87) 70.18,58.93 ; 69.77,9.65 69.8,9.62 arc(69.91,9.55) 70.03,9.53 U2#7.3 ; 69.77,9.65 arc(69.65,9.71) 69.52,9.65 ; 49.61,58.93 49.58,58.96 arc(49.47,59.03) 49.35,59.05 U2#10.3 ; 49.61,58.93 arc(49.66,58.8) 49.61,58.68 49.58,58.65 arc(49.47,58.58) 49.35,58.55 U2#10.2 ; 49.61,58.93 arc(49.73,58.87) 49.86,58.93 ; 29.29,58.93 arc(29.41,58.87) 29.54,58.93 ; U2.3 90.35,9.53 arc(90.23,9.55) 90.12,9.62 90.09,9.65 ; 90.09,9.65 arc(89.97,9.71) 89.84,9.65 ; 90.09,9.65 arc(90.04,9.78) 90.09,9.9 90.12,9.93 arc(90.23,10) 90.35,10.03 U2.2
  Top w0.3: 88.42,8.23 R7#8.1 90.09,9.9 ; C3#4.2 11.18,60.45 arc(11.2,60.46) 11.21,60.46 v1(11.23,60.48) ; C3#3.2 92.46,60.45 arc(92.48,60.46) 92.49,60.46 v1(92.51,60.48) ; C3#10.2 67.56,8.13 arc(67.54,8.12) 67.53,8.12 v1(67.51,8.1) ; v1(87.83,8.1) 87.85,8.12 arc(87.86,8.12) 87.88,8.13 C3#5.2 ; v1(31.55,60.48) 31.53,60.46 arc(31.52,60.46) 31.5,60.45 C3.2 ; v1(47.19,8.1) 47.21,8.12 arc(47.22,8.12) 47.24,8.13 C3#8.2 ; v1(26.87,8.1) 26.89,8.12 arc(26.9,8.12) 26.92,8.13 C3#6.2 ; J4#7.2 J4#7.1 ; 71.6,60.35 R7#5.1 69.93,58.68 ; C3#7.2 51.82,60.45 arc(51.84,60.46) 51.85,60.46 v1(51.87,60.48) ; 27.46,8.23 R7#3.1 29.13,9.9 ; 7.14,8.23 R7#2.1 8.81,9.9 ; v1(72.19,60.48) 72.17,60.46 arc(72.16,60.46) 72.14,60.45 C3#2.2 ; 49.45,9.9 R7#9.1 47.78,8.23 ; 68.1,8.23 R7#6.1 69.77,9.9 ; 8.97,58.68 R7.1 10.64,60.35 ; J4#5.2 J4#5.1 ; 30.96,60.35 R7#7.1 29.29,58.68 ; J4#3.2 J4#3.1 ; J4#8.2 J4#8.1 ; 90.25,58.68 R7#10.1 91.92,60.35 ; J4#10.2 J4#10.1 ; v1(6.55,8.1) 6.57,8.12 arc(6.58,8.12) 6.6,8.13 C3#9.2 ; J4#4.2 J4#4.1 ; J4#6.2 J4#6.1 ; J4#9.2 J4#9.1 ; J4.2 J4.1 ; 51.28,60.35 R7#4.1 49.61,58.68 ; J4#2.2 J4#2.1
  Bottom w0.3: v1(51.87,60.48) 54.02,60.48 arc(54.54,60.58) 54.98,60.88 55.55,61.44 arc(55.85,61.89) 55.95,62.41 55.95,63.01 arc(56.05,63.53) 56.35,63.97 J4#2.2 ; v1(92.51,60.48) 94.66,60.48 arc(95.18,60.58) 95.62,60.88 96.19,61.44 arc(96.49,61.89) 96.59,62.41 96.59,63.01 arc(96.69,63.53) 96.99,63.97 J4#4.2 ; v1(72.19,60.48) 74.34,60.48 arc(74.86,60.58) 75.3,60.88 75.87,61.44 arc(76.17,61.89) 76.27,62.41 76.27,63.01 arc(76.37,63.53) 76.67,63.97 J4.2 ; v1(67.51,8.1) 65.36,8.1 arc(64.84,8) 64.4,7.7 63.83,7.14 arc(63.53,6.69) 63.43,6.17 63.43,5.57 arc(63.33,5.05) 63.03,4.61 J4#3.2 ; v1(11.23,60.48) 13.38,60.48 arc(13.9,60.58) 14.34,60.88 14.91,61.44 arc(15.21,61.89) 15.31,62.41 15.31,63.01 arc(15.41,63.53) 15.71,63.97 J4#7.2 ; J4#5.2 83.35,4.61 arc(83.65,5.05) 83.75,5.57 83.75,6.17 arc(83.85,6.69) 84.15,7.14 84.72,7.7 arc(85.16,8) 85.68,8.1 v1(87.83,8.1) ; v1(31.55,60.48) 33.7,60.48 arc(34.22,60.58) 34.66,60.88 35.23,61.44 arc(35.53,61.89) 35.63,62.41 35.63,63.01 arc(35.73,63.53) 36.03,63.97 J4#6.2 ; J4#9.2 2.07,4.61 arc(2.37,5.05) 2.47,5.57 2.47,6.17 arc(2.57,6.69) 2.87,7.14 3.44,7.7 arc(3.88,8) 4.4,8.1 v1(6.55,8.1) ; v1(26.87,8.1) 24.72,8.1 arc(24.2,8) 23.76,7.7 23.19,7.14 arc(22.89,6.69) 22.79,6.17 22.79,5.57 arc(22.69,5.05) 22.39,4.61 J4#8.2 ; J4#10.2 42.71,4.61 arc(43.01,5.05) 43.11,5.57 43.11,6.17 arc(43.21,6.69) 43.51,7.14 44.08,7.7 arc(44.52,8) 45.04,8.1 v1(47.19,8.1)
